# KiCad board Fraiseiver2panel.kicad_pcb
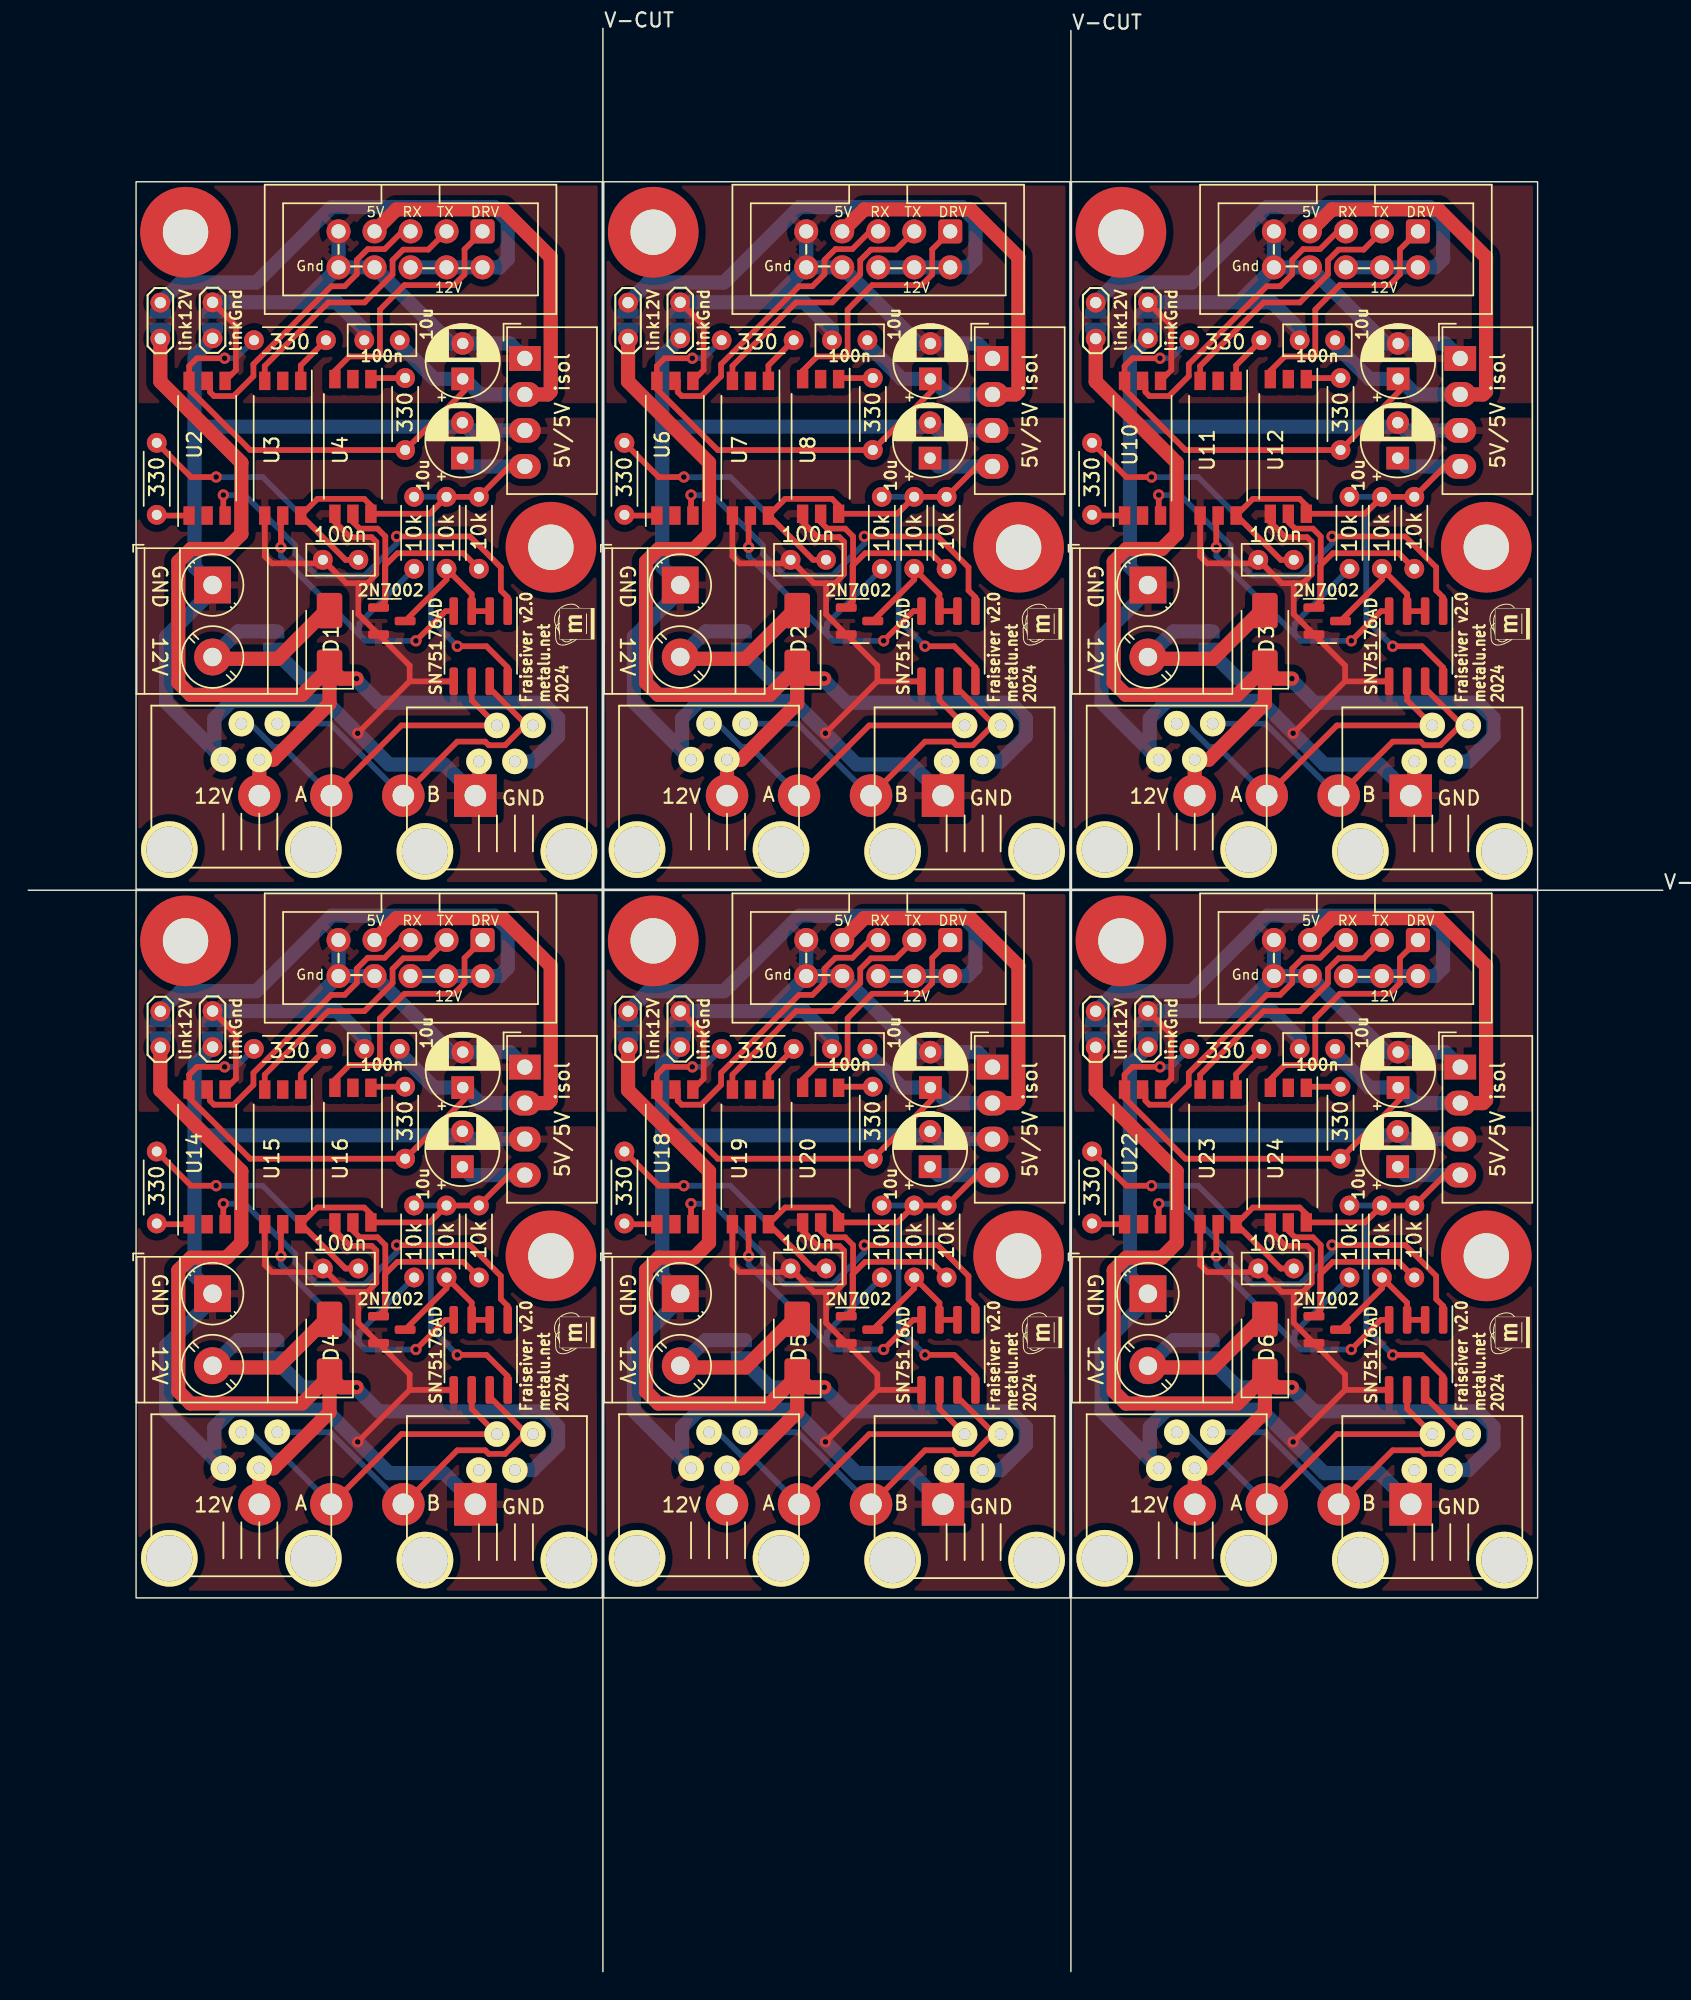
[diagram p0: board, top side]
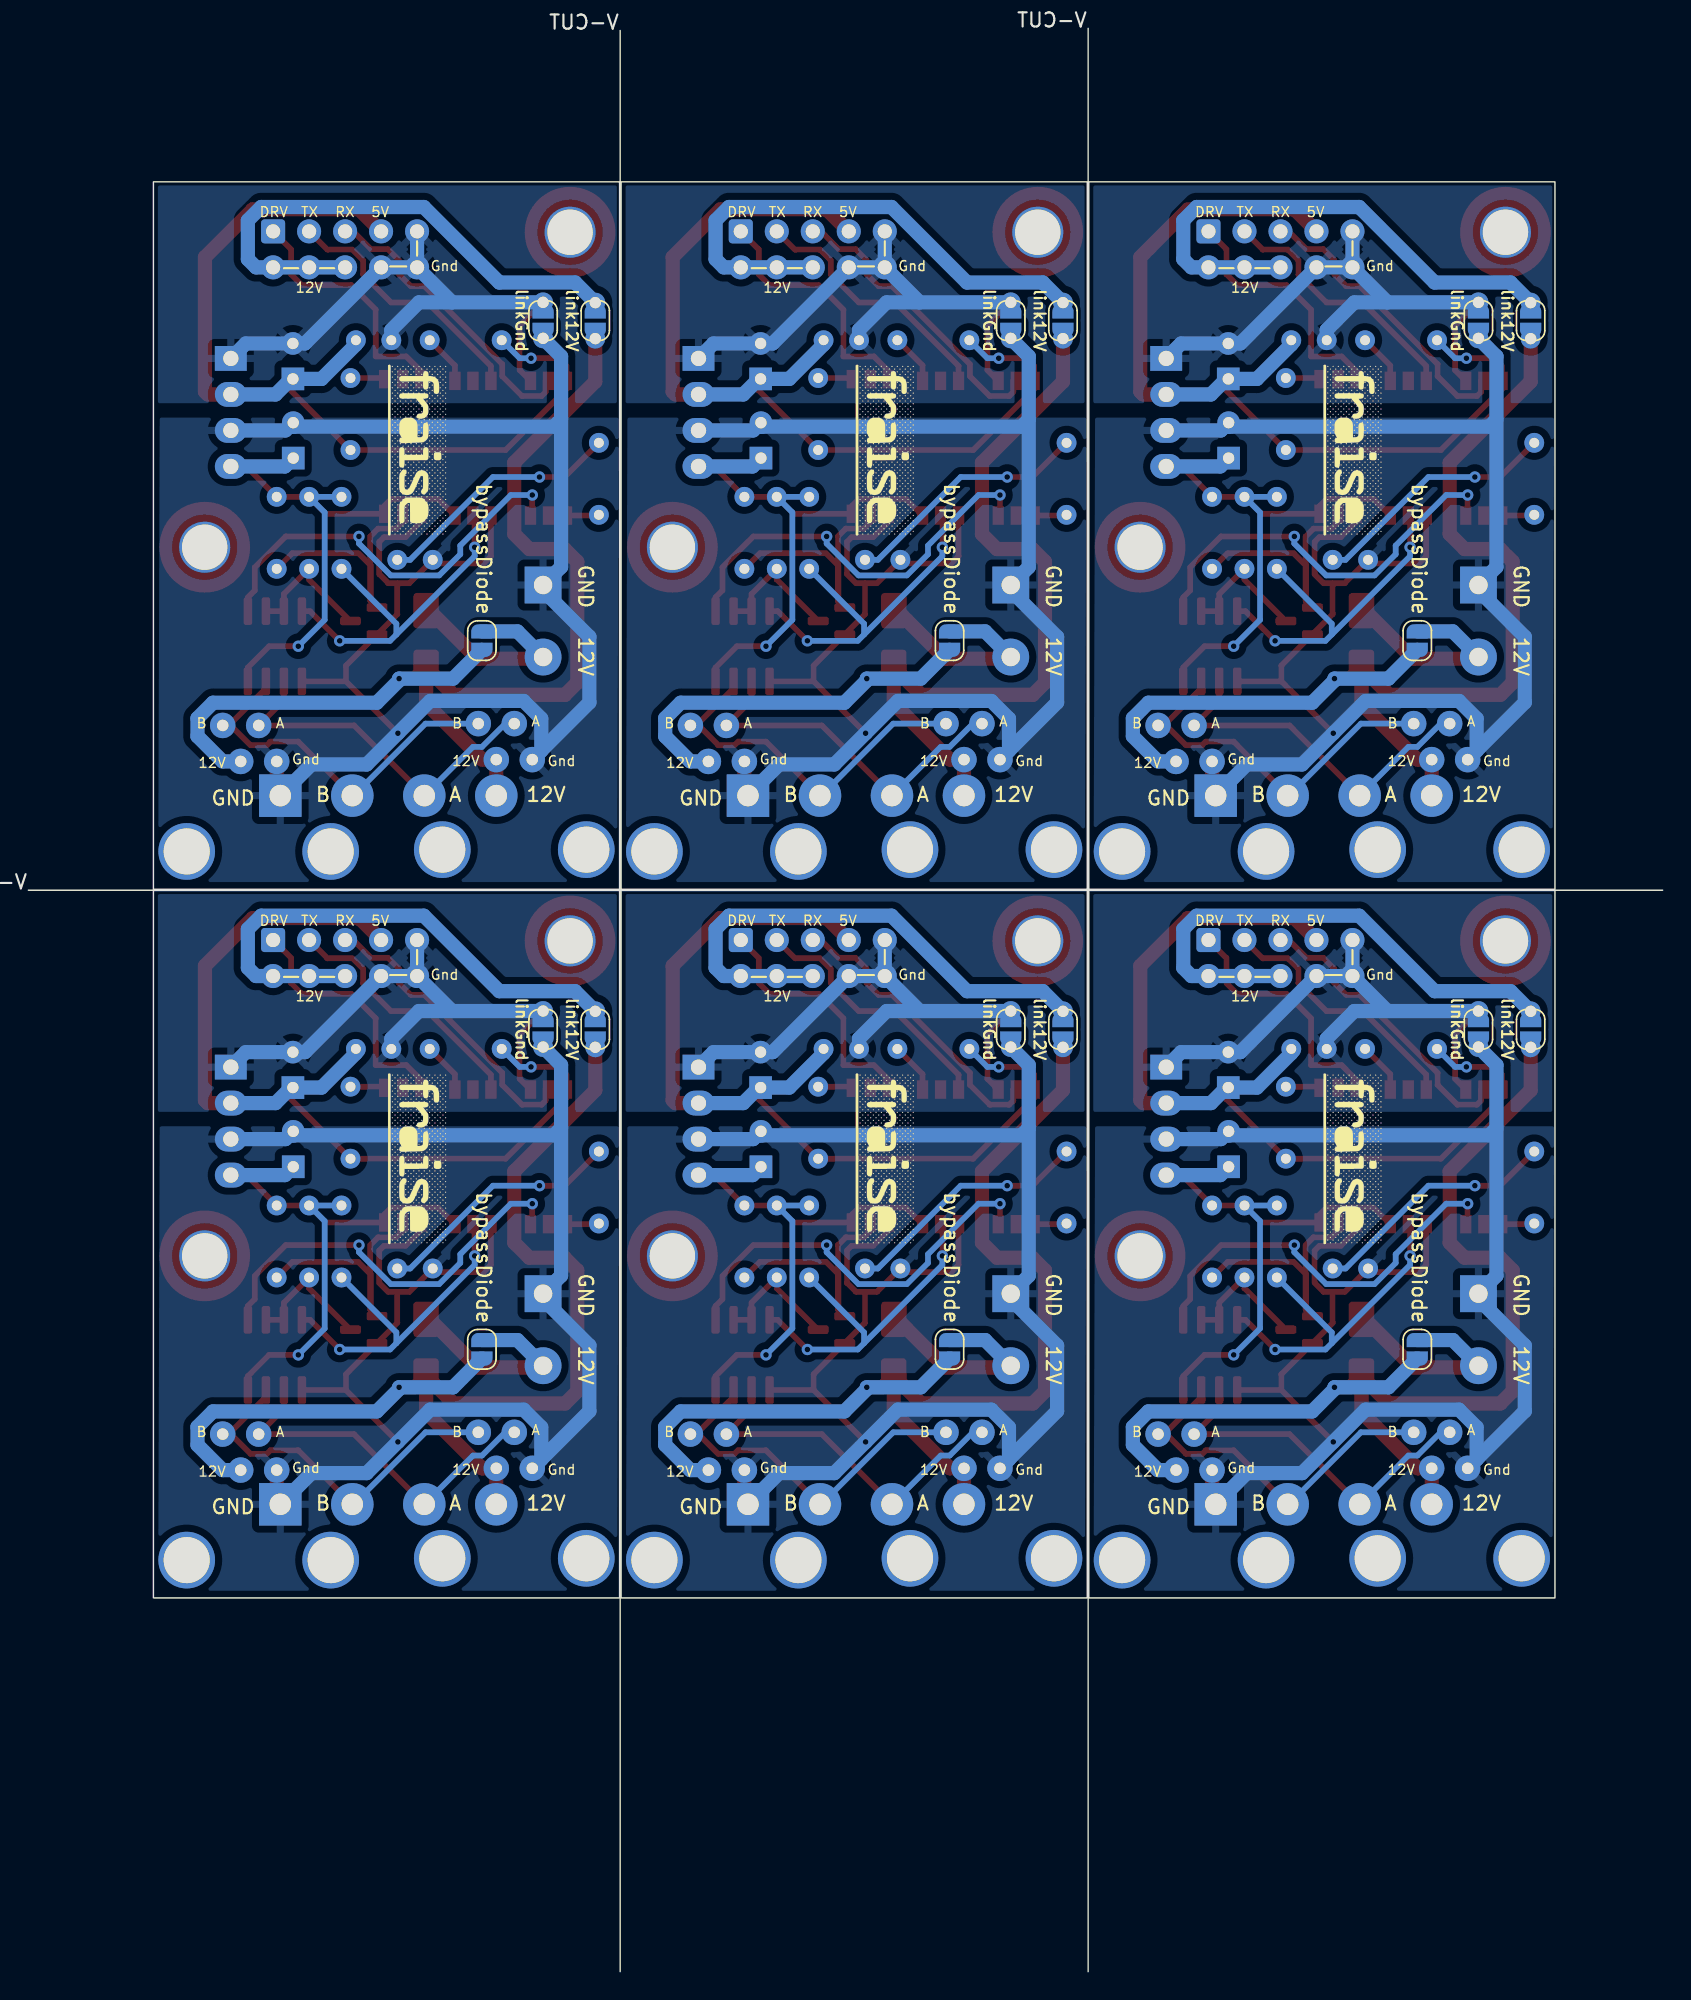
[diagram p1: board, bottom side, seen from below]

Outline 115.32 x 137.11 mm; copper layers: Top, Bottom. Coordinates in mm from the lower left corner of the outline.
Outline path: rectangle 7.6,126.28 40.49,76.37 ; rectangle 7.6,76.28 40.49,26.37 ; rectangle 40.6,126.28 73.49,76.37 ; rectangle 40.6,76.28 73.49,26.37 ; rectangle 73.6,126.28 106.49,76.37 ; rectangle 73.6,76.28 106.49,26.37 ; 0,76.3 115.32,76.3 ; 40.54,137.11 40.54,0 ; 73.56,136.96 73.56,0

## Placement (name value [footprint] x y rotation side)
C1  100n  [C_Rect_L4.6mm_W2.0mm_P2.50mm_MKS02_FKP02]  23.28 99.61 180 top
C2  100n  [C_Rect_L4.6mm_W2.0mm_P2.50mm_MKS02_FKP02]  26.2 115.11 180 top
C3  10u  [CP_Radial_D5.0mm_P2.50mm]  30.65 112.38 90 top
C4  10u  [CP_Radial_D5.0mm_P2.50mm]  30.63 106.79 90 top
C5  100n  [C_Rect_L4.6mm_W2.0mm_P2.50mm_MKS02_FKP02]  56.28 99.61 180 top
C6  100n  [C_Rect_L4.6mm_W2.0mm_P2.50mm_MKS02_FKP02]  59.2 115.11 180 top
C7  10u  [CP_Radial_D5.0mm_P2.50mm]  63.65 112.38 90 top
C8  10u  [CP_Radial_D5.0mm_P2.50mm]  63.63 106.79 90 top
C9  100n  [C_Rect_L4.6mm_W2.0mm_P2.50mm_MKS02_FKP02]  89.28 99.61 180 top
C10  100n  [C_Rect_L4.6mm_W2.0mm_P2.50mm_MKS02_FKP02]  92.2 115.11 180 top
C11  10u  [CP_Radial_D5.0mm_P2.50mm]  96.65 112.38 90 top
C12  10u  [CP_Radial_D5.0mm_P2.50mm]  96.63 106.79 90 top
C13  100n  [C_Rect_L4.6mm_W2.0mm_P2.50mm_MKS02_FKP02]  23.28 49.61 180 top
C14  100n  [C_Rect_L4.6mm_W2.0mm_P2.50mm_MKS02_FKP02]  26.2 65.11 180 top
C15  10u  [CP_Radial_D5.0mm_P2.50mm]  30.65 62.38 90 top
C16  10u  [CP_Radial_D5.0mm_P2.50mm]  30.63 56.79 90 top
C17  100n  [C_Rect_L4.6mm_W2.0mm_P2.50mm_MKS02_FKP02]  56.28 49.61 180 top
C18  100n  [C_Rect_L4.6mm_W2.0mm_P2.50mm_MKS02_FKP02]  59.2 65.11 180 top
C19  10u  [CP_Radial_D5.0mm_P2.50mm]  63.65 62.38 90 top
C20  10u  [CP_Radial_D5.0mm_P2.50mm]  63.63 56.79 90 top
C21  100n  [C_Rect_L4.6mm_W2.0mm_P2.50mm_MKS02_FKP02]  89.28 49.61 180 top
C22  100n  [C_Rect_L4.6mm_W2.0mm_P2.50mm_MKS02_FKP02]  92.2 65.11 180 top
C23  10u  [CP_Radial_D5.0mm_P2.50mm]  96.65 62.38 90 top
C24  10u  [CP_Radial_D5.0mm_P2.50mm]  96.63 56.79 90 top
D1  D_Schottky  [D_SMA]  21.25 94.02 90 top
D2  D_Schottky  [D_SMA]  54.25 94.02 90 top
D3  D_Schottky  [D_SMA]  87.25 94.02 90 top
D4  D_Schottky  [D_SMA]  21.25 44.02 90 top
D5  D_Schottky  [D_SMA]  54.25 44.02 90 top
D6  D_Schottky  [D_SMA]  87.25 44.02 90 top
G***  LOGO  [metalunet-mini]  38.52 95.04 90 top
G***1  LOGO  [metalunet-mini]  71.52 95.04 90 top
G***2  LOGO  [FraiseLogo]  54.89 107.36 270 bottom
G***3  LOGO  [metalunet-mini]  104.52 95.04 90 top
G***4  LOGO  [FraiseLogo]  87.89 107.36 270 bottom
G***5  LOGO  [metalunet-mini]  38.52 45.04 90 top
G***6  LOGO  [FraiseLogo]  21.89 57.36 270 bottom
G***7  LOGO  [metalunet-mini]  71.52 45.04 90 top
G***8  LOGO  [FraiseLogo]  54.89 57.36 270 bottom
G***9  LOGO  [metalunet-mini]  104.52 45.04 90 top
G***10  LOGO  [FraiseLogo]  87.89 57.36 270 bottom
G***#2  LOGO  [FraiseLogo]  21.89 107.36 270 bottom
H1  MountingHole  [MountingHole_3.2mm_M3_Pad_TopOnly]  11.09 122.73 0 top
H2  MountingHole  [MountingHole_3.2mm_M3_Pad_TopOnly]  36.87 100.5 0 top
H3  MountingHole  [MountingHole_3.2mm_M3_Pad_TopOnly]  44.09 122.73 0 top
H4  MountingHole  [MountingHole_3.2mm_M3_Pad_TopOnly]  69.87 100.5 0 top
H5  MountingHole  [MountingHole_3.2mm_M3_Pad_TopOnly]  77.09 122.73 0 top
H6  MountingHole  [MountingHole_3.2mm_M3_Pad_TopOnly]  102.87 100.5 0 top
H7  MountingHole  [MountingHole_3.2mm_M3_Pad_TopOnly]  11.09 72.73 0 top
H8  MountingHole  [MountingHole_3.2mm_M3_Pad_TopOnly]  36.87 50.5 0 top
H9  MountingHole  [MountingHole_3.2mm_M3_Pad_TopOnly]  44.09 72.73 0 top
H10  MountingHole  [MountingHole_3.2mm_M3_Pad_TopOnly]  69.87 50.5 0 top
H11  MountingHole  [MountingHole_3.2mm_M3_Pad_TopOnly]  77.09 72.73 0 top
H12  MountingHole  [MountingHole_3.2mm_M3_Pad_TopOnly]  102.87 50.5 0 top
J1  RJ14  [RJ11]  15.03 85.51 180 top
J2  Bornier2  [TerminalBlock_Phoenix_MKDS-3-2-5.08_1x02_P5.08mm_Horizontal]  13 97.83 270 top
J3  Fraise_5x2  [IDC-Header_2x05_P2.54mm_Vertical]  32.05 122.79 270 top
J4  RJ14  [RJ11]  33.06 85.39 180 top
J5  Conn_01x04_Socket  [TerminalBlock_bornier-4_P5.08mm]  31.54 82.97 180 top
J6  RJ14  [RJ11]  48.03 85.51 180 top
J7  Bornier2  [TerminalBlock_Phoenix_MKDS-3-2-5.08_1x02_P5.08mm_Horizontal]  46 97.83 270 top
J8  Fraise_5x2  [IDC-Header_2x05_P2.54mm_Vertical]  65.05 122.79 270 top
J9  RJ14  [RJ11]  66.06 85.39 180 top
J10  Conn_01x04_Socket  [TerminalBlock_bornier-4_P5.08mm]  64.54 82.97 180 top
J11  RJ14  [RJ11]  81.03 85.51 180 top
J12  Bornier2  [TerminalBlock_Phoenix_MKDS-3-2-5.08_1x02_P5.08mm_Horizontal]  79 97.83 270 top
J13  Fraise_5x2  [IDC-Header_2x05_P2.54mm_Vertical]  98.05 122.79 270 top
J14  RJ14  [RJ11]  99.06 85.39 180 top
J15  Conn_01x04_Socket  [TerminalBlock_bornier-4_P5.08mm]  97.54 82.97 180 top
J16  RJ14  [RJ11]  15.03 35.51 180 top
J17  Bornier2  [TerminalBlock_Phoenix_MKDS-3-2-5.08_1x02_P5.08mm_Horizontal]  13 47.83 270 top
J18  Fraise_5x2  [IDC-Header_2x05_P2.54mm_Vertical]  32.05 72.79 270 top
J19  RJ14  [RJ11]  33.06 35.39 180 top
J20  Conn_01x04_Socket  [TerminalBlock_bornier-4_P5.08mm]  31.54 32.97 180 top
J21  RJ14  [RJ11]  48.03 35.51 180 top
J22  Bornier2  [TerminalBlock_Phoenix_MKDS-3-2-5.08_1x02_P5.08mm_Horizontal]  46 47.83 270 top
J23  Fraise_5x2  [IDC-Header_2x05_P2.54mm_Vertical]  65.05 72.79 270 top
J24  RJ14  [RJ11]  66.06 35.39 180 top
J25  Conn_01x04_Socket  [TerminalBlock_bornier-4_P5.08mm]  64.54 32.97 180 top
J26  RJ14  [RJ11]  81.03 35.51 180 top
J27  Bornier2  [TerminalBlock_Phoenix_MKDS-3-2-5.08_1x02_P5.08mm_Horizontal]  79 47.83 270 top
J28  Fraise_5x2  [IDC-Header_2x05_P2.54mm_Vertical]  98.05 72.79 270 top
J29  RJ14  [RJ11]  99.06 35.39 180 top
J30  Conn_01x04_Socket  [TerminalBlock_bornier-4_P5.08mm]  97.54 32.97 180 top
JP1  link12V  [TestPoint_2Pads_Pitch2.54mm_Drill0.8mm]  9.31 115.22 90 top
JP2  SolderJumper_2_Open  [SolderJumper-2_P1.3mm_Open_RoundedPad1.0x1.5mm]  9.31 116.49 90 bottom
JP3  linkGnd  [TestPoint_2Pads_Pitch2.54mm_Drill0.8mm]  13 115.24 90 top
JP4  SolderJumper_2_Open  [SolderJumper-2_P1.3mm_Open_RoundedPad1.0x1.5mm]  13 116.49 90 bottom
JP5  bypassDiode  [SolderJumper-2_P1.3mm_Open_RoundedPad1.0x1.5mm]  17.31 93.91 270 bottom
JP6  link12V  [TestPoint_2Pads_Pitch2.54mm_Drill0.8mm]  42.31 115.22 90 top
JP7  SolderJumper_2_Open  [SolderJumper-2_P1.3mm_Open_RoundedPad1.0x1.5mm]  42.31 116.49 90 bottom
JP8  linkGnd  [TestPoint_2Pads_Pitch2.54mm_Drill0.8mm]  46 115.24 90 top
JP9  SolderJumper_2_Open  [SolderJumper-2_P1.3mm_Open_RoundedPad1.0x1.5mm]  46 116.49 90 bottom
JP10  bypassDiode  [SolderJumper-2_P1.3mm_Open_RoundedPad1.0x1.5mm]  50.31 93.91 270 bottom
JP11  link12V  [TestPoint_2Pads_Pitch2.54mm_Drill0.8mm]  75.31 115.22 90 top
JP12  SolderJumper_2_Open  [SolderJumper-2_P1.3mm_Open_RoundedPad1.0x1.5mm]  75.31 116.49 90 bottom
JP13  linkGnd  [TestPoint_2Pads_Pitch2.54mm_Drill0.8mm]  79 115.24 90 top
JP14  SolderJumper_2_Open  [SolderJumper-2_P1.3mm_Open_RoundedPad1.0x1.5mm]  79 116.49 90 bottom
JP15  bypassDiode  [SolderJumper-2_P1.3mm_Open_RoundedPad1.0x1.5mm]  83.31 93.91 270 bottom
JP16  link12V  [TestPoint_2Pads_Pitch2.54mm_Drill0.8mm]  9.31 65.22 90 top
JP17  SolderJumper_2_Open  [SolderJumper-2_P1.3mm_Open_RoundedPad1.0x1.5mm]  9.31 66.49 90 bottom
JP18  linkGnd  [TestPoint_2Pads_Pitch2.54mm_Drill0.8mm]  13 65.24 90 top
JP19  SolderJumper_2_Open  [SolderJumper-2_P1.3mm_Open_RoundedPad1.0x1.5mm]  13 66.49 90 bottom
JP20  bypassDiode  [SolderJumper-2_P1.3mm_Open_RoundedPad1.0x1.5mm]  17.31 43.91 270 bottom
JP21  link12V  [TestPoint_2Pads_Pitch2.54mm_Drill0.8mm]  42.31 65.22 90 top
JP22  SolderJumper_2_Open  [SolderJumper-2_P1.3mm_Open_RoundedPad1.0x1.5mm]  42.31 66.49 90 bottom
JP23  linkGnd  [TestPoint_2Pads_Pitch2.54mm_Drill0.8mm]  46 65.24 90 top
JP24  SolderJumper_2_Open  [SolderJumper-2_P1.3mm_Open_RoundedPad1.0x1.5mm]  46 66.49 90 bottom
JP25  bypassDiode  [SolderJumper-2_P1.3mm_Open_RoundedPad1.0x1.5mm]  50.31 43.91 270 bottom
JP26  link12V  [TestPoint_2Pads_Pitch2.54mm_Drill0.8mm]  75.31 65.22 90 top
JP27  SolderJumper_2_Open  [SolderJumper-2_P1.3mm_Open_RoundedPad1.0x1.5mm]  75.31 66.49 90 bottom
JP28  linkGnd  [TestPoint_2Pads_Pitch2.54mm_Drill0.8mm]  79 65.24 90 top
JP29  SolderJumper_2_Open  [SolderJumper-2_P1.3mm_Open_RoundedPad1.0x1.5mm]  79 66.49 90 bottom
JP30  bypassDiode  [SolderJumper-2_P1.3mm_Open_RoundedPad1.0x1.5mm]  83.31 43.91 270 bottom
PS1  MEE1S0505SC  [Converter_DCDC_Murata_MEE1SxxxxSC_THT]  35.03 113.82 0 top
PS2  MEE1S0505SC  [Converter_DCDC_Murata_MEE1SxxxxSC_THT]  68.03 113.82 0 top
PS3  MEE1S0505SC  [Converter_DCDC_Murata_MEE1SxxxxSC_THT]  101.03 113.82 0 top
PS4  MEE1S0505SC  [Converter_DCDC_Murata_MEE1SxxxxSC_THT]  35.03 63.82 0 top
PS5  MEE1S0505SC  [Converter_DCDC_Murata_MEE1SxxxxSC_THT]  68.03 63.82 0 top
PS6  MEE1S0505SC  [Converter_DCDC_Murata_MEE1SxxxxSC_THT]  101.03 63.82 0 top
Q1  2N7002  [SOT-23]  25.65 95.29 0 top
Q2  2N7002  [SOT-23]  58.65 95.29 0 top
Q3  2N7002  [SOT-23]  91.65 95.29 0 top
Q4  2N7002  [SOT-23]  25.65 45.29 0 top
Q5  2N7002  [SOT-23]  58.65 45.29 0 top
Q6  2N7002  [SOT-23]  91.65 45.29 0 top
R1  330  [R_Axial_DIN0204_L3.6mm_D1.6mm_P5.08mm_Horizontal]  9.06 107.87 270 top
R2  330  [R_Axial_DIN0204_L3.6mm_D1.6mm_P5.08mm_Horizontal]  21 115.11 180 top
R3  330  [R_Axial_DIN0204_L3.6mm_D1.6mm_P5.08mm_Horizontal]  26.59 112.44 270 top
R4  10k  [R_Axial_DIN0204_L3.6mm_D1.6mm_P5.08mm_Horizontal]  29.51 98.98 90 top
R5  10k  [R_Axial_DIN0204_L3.6mm_D1.6mm_P5.08mm_Horizontal]  31.79 98.98 90 top
R6  10k  [R_Axial_DIN0204_L3.6mm_D1.6mm_P5.08mm_Horizontal]  27.22 98.98 90 top
R7  330  [R_Axial_DIN0204_L3.6mm_D1.6mm_P5.08mm_Horizontal]  42.06 107.87 270 top
R8  330  [R_Axial_DIN0204_L3.6mm_D1.6mm_P5.08mm_Horizontal]  54 115.11 180 top
R9  330  [R_Axial_DIN0204_L3.6mm_D1.6mm_P5.08mm_Horizontal]  59.59 112.44 270 top
R10  10k  [R_Axial_DIN0204_L3.6mm_D1.6mm_P5.08mm_Horizontal]  62.51 98.98 90 top
R11  10k  [R_Axial_DIN0204_L3.6mm_D1.6mm_P5.08mm_Horizontal]  64.79 98.98 90 top
R12  10k  [R_Axial_DIN0204_L3.6mm_D1.6mm_P5.08mm_Horizontal]  60.22 98.98 90 top
R13  330  [R_Axial_DIN0204_L3.6mm_D1.6mm_P5.08mm_Horizontal]  75.06 107.87 270 top
R14  330  [R_Axial_DIN0204_L3.6mm_D1.6mm_P5.08mm_Horizontal]  87 115.11 180 top
R15  330  [R_Axial_DIN0204_L3.6mm_D1.6mm_P5.08mm_Horizontal]  92.59 112.44 270 top
R16  10k  [R_Axial_DIN0204_L3.6mm_D1.6mm_P5.08mm_Horizontal]  95.51 98.98 90 top
R17  10k  [R_Axial_DIN0204_L3.6mm_D1.6mm_P5.08mm_Horizontal]  97.79 98.98 90 top
R18  10k  [R_Axial_DIN0204_L3.6mm_D1.6mm_P5.08mm_Horizontal]  93.22 98.98 90 top
R19  330  [R_Axial_DIN0204_L3.6mm_D1.6mm_P5.08mm_Horizontal]  9.06 57.87 270 top
R20  330  [R_Axial_DIN0204_L3.6mm_D1.6mm_P5.08mm_Horizontal]  21 65.11 180 top
R21  330  [R_Axial_DIN0204_L3.6mm_D1.6mm_P5.08mm_Horizontal]  26.59 62.44 270 top
R22  10k  [R_Axial_DIN0204_L3.6mm_D1.6mm_P5.08mm_Horizontal]  29.51 48.98 90 top
R23  10k  [R_Axial_DIN0204_L3.6mm_D1.6mm_P5.08mm_Horizontal]  31.79 48.98 90 top
R24  10k  [R_Axial_DIN0204_L3.6mm_D1.6mm_P5.08mm_Horizontal]  27.22 48.98 90 top
R25  330  [R_Axial_DIN0204_L3.6mm_D1.6mm_P5.08mm_Horizontal]  42.06 57.87 270 top
R26  330  [R_Axial_DIN0204_L3.6mm_D1.6mm_P5.08mm_Horizontal]  54 65.11 180 top
R27  330  [R_Axial_DIN0204_L3.6mm_D1.6mm_P5.08mm_Horizontal]  59.59 62.44 270 top
R28  10k  [R_Axial_DIN0204_L3.6mm_D1.6mm_P5.08mm_Horizontal]  62.51 48.98 90 top
R29  10k  [R_Axial_DIN0204_L3.6mm_D1.6mm_P5.08mm_Horizontal]  64.79 48.98 90 top
R30  10k  [R_Axial_DIN0204_L3.6mm_D1.6mm_P5.08mm_Horizontal]  60.22 48.98 90 top
R31  330  [R_Axial_DIN0204_L3.6mm_D1.6mm_P5.08mm_Horizontal]  75.06 57.87 270 top
R32  330  [R_Axial_DIN0204_L3.6mm_D1.6mm_P5.08mm_Horizontal]  87 65.11 180 top
R33  330  [R_Axial_DIN0204_L3.6mm_D1.6mm_P5.08mm_Horizontal]  92.59 62.44 270 top
R34  10k  [R_Axial_DIN0204_L3.6mm_D1.6mm_P5.08mm_Horizontal]  95.51 48.98 90 top
R35  10k  [R_Axial_DIN0204_L3.6mm_D1.6mm_P5.08mm_Horizontal]  97.79 48.98 90 top
R36  10k  [R_Axial_DIN0204_L3.6mm_D1.6mm_P5.08mm_Horizontal]  93.22 48.98 90 top
U1  SN75176AD  [SOIC-8_3.9x4.9mm_P1.27mm]  31.92 93.52 270 top
U2  TLP2767  [SO-6L_10x3.84mm_P1.27mm]  12.62 107.49 90 top
U3  TLP2767  [SO-6L_10x3.84mm_P1.27mm]  17.95 107.49 270 top
U4  TLP2767  [SO-6L_10x3.84mm_P1.27mm]  22.9 107.61 270 top
U5  SN75176AD  [SOIC-8_3.9x4.9mm_P1.27mm]  64.92 93.52 270 top
U6  TLP2767  [SO-6L_10x3.84mm_P1.27mm]  45.62 107.49 90 top
U7  TLP2767  [SO-6L_10x3.84mm_P1.27mm]  50.95 107.49 270 top
U8  TLP2767  [SO-6L_10x3.84mm_P1.27mm]  55.9 107.61 270 top
U9  SN75176AD  [SOIC-8_3.9x4.9mm_P1.27mm]  97.92 93.52 270 top
U10  TLP2767  [SO-6L_10x3.84mm_P1.27mm]  78.62 107.49 90 top
U11  TLP2767  [SO-6L_10x3.84mm_P1.27mm]  83.95 107.49 270 top
U12  TLP2767  [SO-6L_10x3.84mm_P1.27mm]  88.9 107.61 270 top
U13  SN75176AD  [SOIC-8_3.9x4.9mm_P1.27mm]  31.92 43.52 270 top
U14  TLP2767  [SO-6L_10x3.84mm_P1.27mm]  12.62 57.49 90 top
U15  TLP2767  [SO-6L_10x3.84mm_P1.27mm]  17.95 57.49 270 top
U16  TLP2767  [SO-6L_10x3.84mm_P1.27mm]  22.9 57.61 270 top
U17  SN75176AD  [SOIC-8_3.9x4.9mm_P1.27mm]  64.92 43.52 270 top
U18  TLP2767  [SO-6L_10x3.84mm_P1.27mm]  45.62 57.49 90 top
U19  TLP2767  [SO-6L_10x3.84mm_P1.27mm]  50.95 57.49 270 top
U20  TLP2767  [SO-6L_10x3.84mm_P1.27mm]  55.9 57.61 270 top
U21  SN75176AD  [SOIC-8_3.9x4.9mm_P1.27mm]  97.92 43.52 270 top
U22  TLP2767  [SO-6L_10x3.84mm_P1.27mm]  78.62 57.49 90 top
U23  TLP2767  [SO-6L_10x3.84mm_P1.27mm]  83.95 57.49 270 top
U24  TLP2767  [SO-6L_10x3.84mm_P1.27mm]  88.9 57.61 270 top
